# Allegro board 1119394-C028P02-36-DE2-C01_pcb.brd (continued)
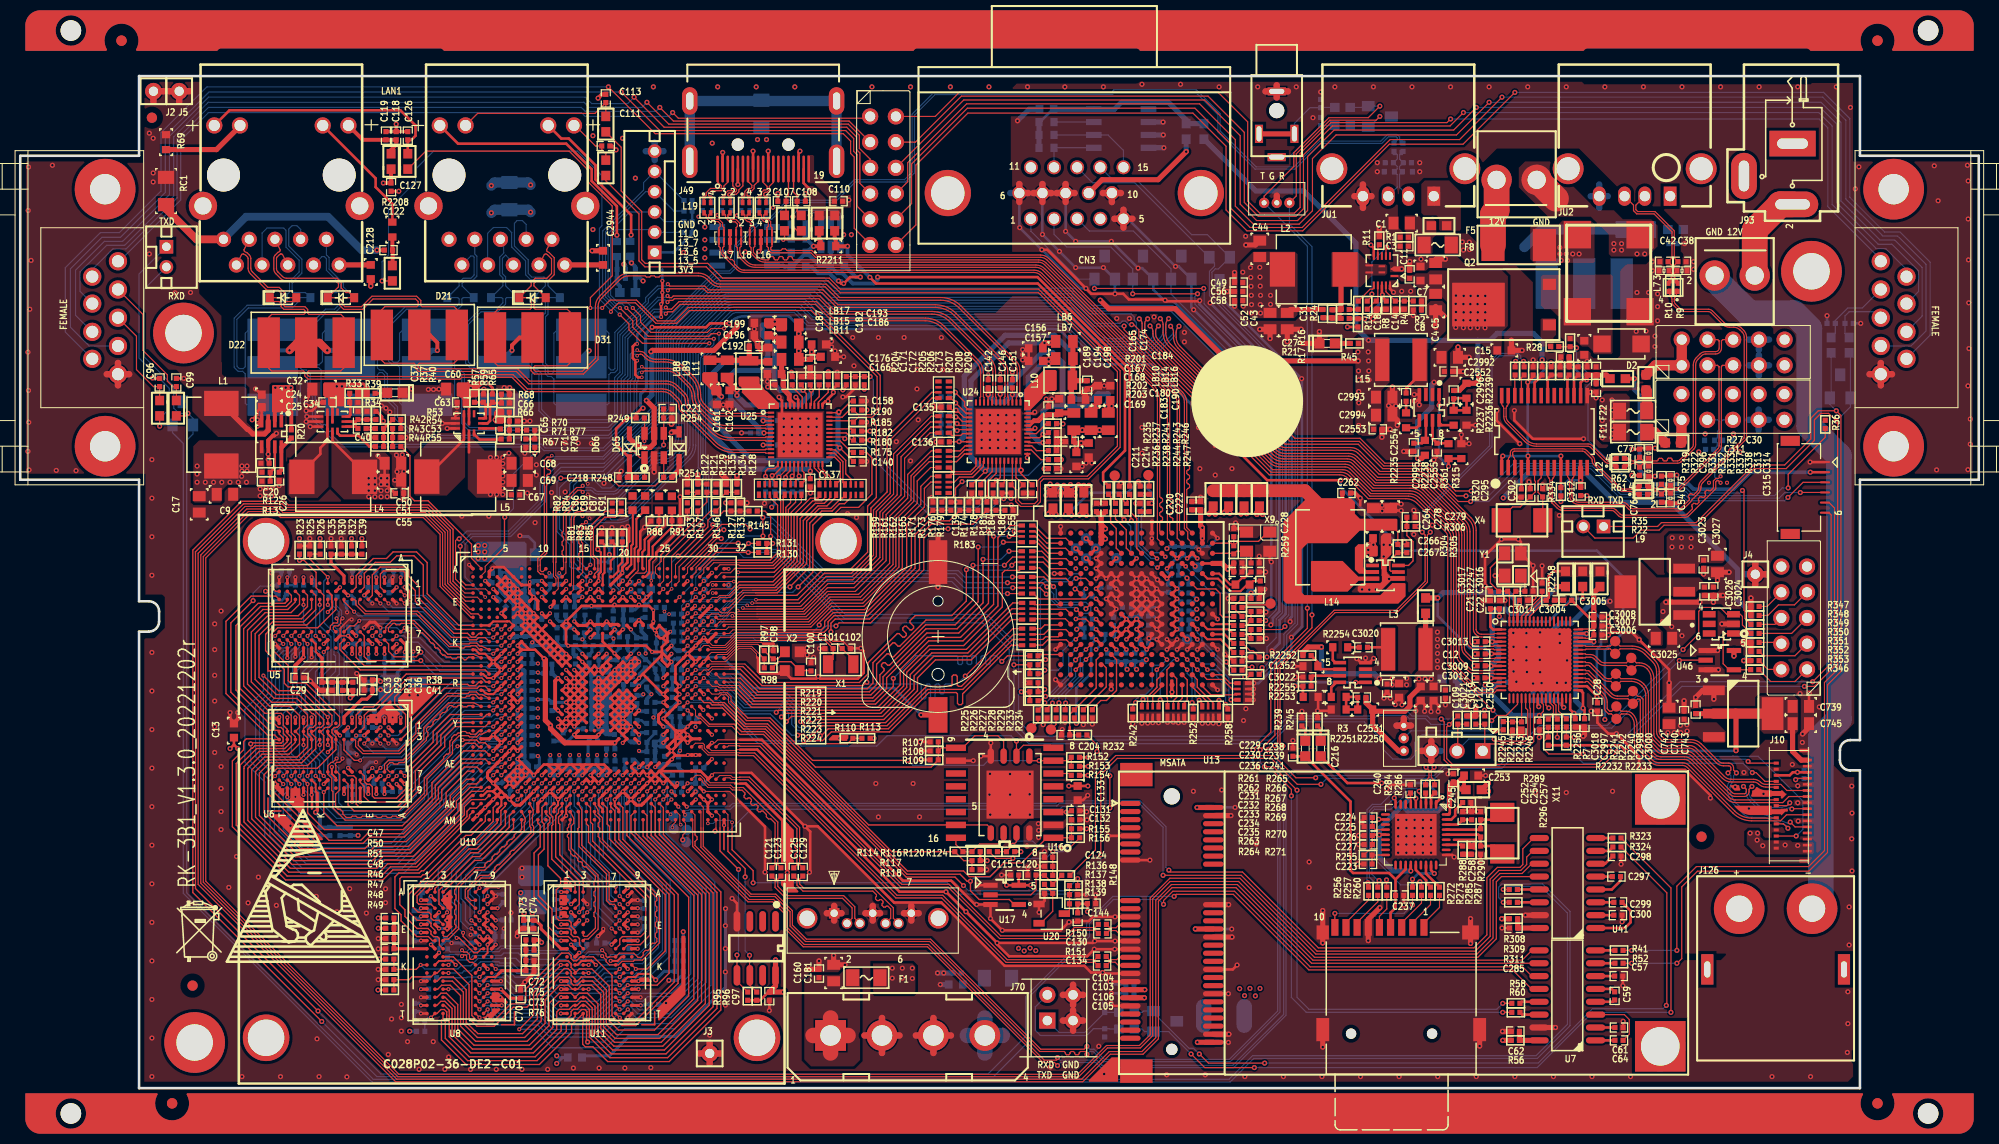
[diagram p0: board, top side]
## Routing (per net, layer and track width the routed paths; a pad name or vN(x,y) marks a point on that pad's centre or on a via; arc(x,y) is an arc through that point) (continued)
SN_BOOT_PIN0: length 11.5
  TOP w0.095: U10.B24 62.74,50.9 62.74,51.49 63.3,52.04
  TOP w0.114: R135.2 R129.2 67.82,57.91 R147.1
  TOP w0.127: R147.1 66.93,56.34 63.3,52.7 63.3,52.04
SN_BOOT_PIN1: length 13.3
  TOP w0.114: R145.1 R133.2 R127.2 69.49,57.02 68.99,56.52 68.33,56.52 67.92,56.11 67.92,55.45 65.05,52.58 v2(64.97,52.58)
  TOP w0.127: v3(64.34,49.34) U10.D25
  BOTTOM w0.095: v3(64.34,49.34) 64.34,51.94 v2(64.97,52.58)
SN_BOOT_PIN2: length 13.3
  TOP w0.095: 63.78,52.58 63.55,52.35 63.55,50.14 63.13,49.72 U10.C24
  TOP w0.114: R128.2 R134.2 69.19,58.32 69.19,57.51 R146.1 68.17,57.02 63.78,52.63 63.78,52.58
SYS_RSTN: length 61.4
  TOP w0.114: U16.3 v2(103.33,27.28) 103.71,27.28 C131.1 ; R120.2 96.37,22.71 v2(98.04,22.71) ; R137.2 R136.1 C124.1 v2(101.98,23.37)
  TOP w0.127: U10.W29 68.07,35.97 70.51,35.97 71.25,35.23 73.5,35.23 87.59,21.14 92.83,21.14 93.52,20.45 v2(93.85,20.45) 93.85,19.51 94.72,18.64 97.69,18.64 98.18,18.15 U17.4
  BOTTOM w0.114: v2(93.85,20.45) 94.23,20.83 95.66,20.83 97.54,22.71 v2(98.04,22.71) 101.32,22.71 v2(101.98,23.37) 103,23.37 103.81,24.18 103.81,26.8 v2(103.33,27.28)
TE: length 2.1
  TOP w0.114: J10.25 175.5,30.61 v2(175.36,30.48)
  BOTTOM w0.114: v2(175.36,30.48) 175.46,30.58 R2234.1
UART0_RXD: length 225
  TOP w0.095: 43.15,49.3 43.94,48.51 45.14,48.51 45.52,48.13 U10.E2
  TOP w0.114: U7.12 149.28,9.8 147.4,11.68 127.28,11.68 119.81,19.15 114.17,19.15 v2(113.97,18.95)
  TOP w0.127: 43.15,49.3 42.47,49.99 42.47,55.14 40.23,57.38 26.24,57.38 25.88,57.73 22.05,57.73 17.31,52.99 17.31,19.73 v2(29.41,7.62)
  BOTTOM w0.114: v2(29.41,7.62) 35.64,1.4 95.58,1.4 99.31,5.13 99.31,9.04 105.33,15.06 105.33,16.36 107.92,18.95 v2(113.97,18.95)
UART0_TXD: length 225.8
  TOP w0.095: 43.15,49.68 43.92,48.92 U10.D1
  TOP w0.114: v2(112.93,18.16) 112.93,18.54 113.84,19.46 119.94,19.46 127.41,11.99 148.39,11.99 149.3,11.07 U7.11
  TOP w0.127: v2(29.78,6.59) 17.04,19.33 17.04,53.16 21.87,57.99 26.11,57.99 26.47,57.63 40.33,57.63 42.75,55.22 42.75,50.09 43.15,49.68
  BOTTOM w0.114: v2(29.78,6.59) 35.23,1.14 96.14,1.14 99.8,4.8 99.8,9.17 105.61,14.99 105.61,16.28 107.98,18.64 112.45,18.64 v2(112.93,18.16)
UART1_RXD: length 227.9
  TOP w0.114: U10.F1 44.42,47.32 41.96,49.78 41.96,54.92 40.02,56.87 25.96,56.87 25.6,57.23 22.38,57.23 17.83,52.68 17.83,20.24 37.19,0.89 104.84,0.89 107.56,3.61 110.79,3.61 112.16,4.99 112.16,18.57 113.7,20.12 120.21,20.12 127.68,12.65 148.34,12.65 149.3,13.61 U7.9
UART1_TXD: length 228.2
  TOP w0.114: U7.10 127.55,12.34 120.09,19.81 113.77,19.81 112.42,18.47 112.42,4.88 110.9,3.35 107.67,3.35 104.95,0.63 37.07,0.63 17.57,20.14 17.57,52.85 22.2,57.48 25.73,57.48 26.09,57.12 40.12,57.12 42.21,55.03 42.21,49.88 43.15,48.95 43.15,48.95 43.98,48.12 U10.E1
UART2_RXD: length 234.4
  TOP w0.114: U41.12 146.3,20.9 145.8,20.4 145.8,14.76 143.97,12.93 127.83,12.93 120.34,20.42 113.57,20.42 111.85,18.7 111.85,5.18 110.64,3.98 107.39,3.98 104.54,1.13 37.3,1.13 18.08,20.35 18.08,52.52 22.53,56.97 25.48,56.97 25.83,56.62 39.91,56.62 41.71,54.82 41.71,49.67 43.15,48.23 43.15,48.23 44.53,46.86 45.21,46.86 45.52,46.56 U10.G2
UART2_TXD: length 233.1
  TOP w0.114: U10.G1 44.53,46.52 41.47,49.57 41.47,54.72 39.81,56.38 25.7,56.38 25.37,56.72 22.66,56.72 18.32,52.38 18.32,20.45 37.4,1.37 104.44,1.37 107.29,4.22 110.54,4.22 111.61,5.28 111.61,18.8 113.55,20.74 120.47,20.74 127.97,13.25 143.88,13.25 145.47,14.84 145.47,20.53 146.15,21.21 148.34,21.21 149.3,22.17 U41.11
UART3_RXD: length 102
  TOP w0.114: v2(113.45,21.54) 113.63,21.36 120.73,21.36 128.22,13.86 143.58,13.86 144.86,15.14 144.86,20.78 145.9,21.82 148.13,21.82 148.41,22.1 148.41,23.65 149.48,24.71 U41.9
  TOP w0.254: v1(65.83,27.81) U10.AK27
  BOTTOM w0.114: v2(113.45,21.54) 113.16,21.83 113.16,25.84 110.61,28.39 102.54,28.39 102.29,28.14 70.36,28.14 70.09,27.86 65.89,27.86 v1(65.83,27.81)
UART3_TXD: length 102.6
  TOP w0.114: U41.10 149.4,23.44 148.79,22.83 148.79,22.1 148.21,21.51 146.05,21.51 145.19,20.65 145.19,15.01 143.71,13.54 128.08,13.54 120.59,21.03 v2(112.88,21.03)
  TOP w0.254: v1(65,27.81) 65,27.84 U10.AK26
  BOTTOM w0.102: 65.39,27.39 65.61,27.39 65.67,27.45 66.03,27.45 66.14,27.56
  BOTTOM w0.114: 65.39,27.39 65,27.79 v1(65,27.81) ; 66.14,27.56 70.15,27.56 70.49,27.9 102.39,27.9 102.64,28.15 110.51,28.15 112.88,25.78 v2(112.88,21.03)
UPDATE_FROM_USB: length 33.6
  TOP w0.095: 73.38,45.03 70.61,45.03 70.13,44.55 69.15,44.55 U10.K31
  TOP w0.114: R173.2 R171.1 R165.2
  TOP w0.127: R165.2 91.77,56.06 89.76,56.06 88.38,54.67 88.38,51.37 83.69,46.69 80.39,46.69 79.79,46.09 79.79,45.45 79.37,45.03 73.38,45.03
USB2_DM0: length 113.9
  TOP w0.095: U10.AL28 66.64,27 66.64,25.37 66.65,25.37
  TOP w0.115: v2(102.45,3.02) 102.45,2.88 102.34,2.77 101.14,2.77 89.71,14.2 77.44,14.2 75.74,15.89 75.74,17.32 74.42,18.64 71.97,18.64 66.65,23.97 66.65,24.37 66.85,24.57 66.85,24.83 66.65,25.03 66.65,25.37 ; v2(138.86,31.7) 139.14,31.42 139.14,30.71 138.81,30.38 138.81,29.97
  BOTTOM w0.115: v2(102.45,3.02) 102.71,2.77 106.32,2.77 106.83,2.26 119.77,2.26 124.79,7.28 124.79,30.51 125.71,31.42 138.75,31.42 138.86,31.54 v2(138.86,31.7)
USB2_DM1: length 154.4
  TOP w0.095: 67.46,25.7 67.46,27.76 67.12,28.11 U10.AK29
  TOP w0.114: R322.1 148.54,71.27 148.54,71.76 v2(148.49,71.81)
  TOP w0.115: v2(123.92,33.81) 124.21,34.09 124.21,41.65 129.78,47.22 135.89,47.22 138.76,50.09 138.76,54.66 v2(138.48,54.94) ; v2(105.36,4.13) 105.08,3.85 100.79,3.85 89.92,14.72 77.65,14.72 76.27,16.11 76.27,17.53 74.63,19.17 72.19,19.17 67.46,23.89 67.46,25.7
  BOTTOM w0.115: v2(138.48,54.94) 138.73,55.2 138.73,57.07 145.14,63.47 145.14,71.73 146,72.59 147.96,72.59 148.21,72.35 148.21,72.09 v2(148.49,71.81) ; v2(105.36,4.13) 105.64,3.85 106.07,3.85 107.08,2.84 119.42,2.84 124.21,7.63 124.21,33.53 v2(123.92,33.81)
USB2_DP0: length 113.9
  TOP w0.095: 66.42,25.41 66.42,26.43 66.33,26.52 U10.AM28
  TOP w0.115: 66.42,25.41 66.42,25.37 66.42,25.37 66.42,23.88 71.88,18.41 74.32,18.41 75.51,17.22 75.51,15.8 77.34,13.97 89.61,13.97 101.04,2.54 102.15,2.54 v2(102.45,2.23) ; 139.7,29.97 139.7,30.38 139.37,30.71 139.37,31.42 v2(139.65,31.7)
  BOTTOM w0.115: v2(102.45,2.23) 102.76,2.54 106.23,2.54 106.74,2.03 119.86,2.03 125.02,7.19 125.02,30.41 125.8,31.2 139.15,31.2 v2(139.65,31.7)
USB2_DP1: length 154.4
  TOP w0.095: 67.23,25.7 67.23,27.21 U10.AL29
  TOP w0.114: v2(147.7,71.81) 147.65,71.76 R319.1
  TOP w0.115: v2(139.27,54.94) 138.99,54.66 138.99,49.99 135.98,46.99 129.87,46.99 124.43,41.55 124.43,34.09 v2(124.72,33.81) ; v2(105.36,3.34) 105.36,3.51 105.24,3.62 104.72,3.62 104.6,3.51 104.6,3.42 104.49,3.3 104.26,3.3 104.14,3.42 104.14,3.51 104.03,3.62 103.8,3.62 103.69,3.51 103.69,3.42 103.57,3.3 103.34,3.3 103.23,3.42 103.23,3.51 103.12,3.62 100.7,3.62 89.83,14.49 77.56,14.49 76.04,16.02 76.04,17.44 74.54,18.94 72.1,18.94 67.23,23.8 67.23,25.7
  BOTTOM w0.115: v2(147.7,71.81) 147.98,72.09 147.98,72.25 147.87,72.36 146.09,72.36 145.36,71.63 145.36,63.37 138.96,56.97 138.96,55.25 v2(139.27,54.94) ; v2(105.36,3.34) 105.64,3.62 105.98,3.62 106.39,3.21 106.98,2.62 119.51,2.62 124.43,7.54 124.43,33.53 v2(124.72,33.81)
USB2_OVRCUR0: length 121.2
  TOP w0.095: U10.AM30 v3(67.92,26.16) ; 70.31,25.7 v3(70.31,26.26)
  TOP w0.114: v2(128.47,30.02) 126.14,30.02 123.57,32.59 108.36,32.59 106.73,30.96 v2(106.73,23.06) ; v2(163.87,42.25) 163.91,42.29 U46.2
  TOP w0.124: v2(72.39,20.29) 72.39,21.48 70.31,23.56 70.31,25.7
  BOTTOM w0.095: v3(70.31,26.26) 70.1,26.47 68.76,26.47 68.45,26.16 v3(67.92,26.16)
  BOTTOM w0.114: v2(128.47,30.02) 129.06,30.61 139.72,30.61 140.71,31.6 146.33,31.6 150.3,35.57 157.19,35.57 v2(163.87,42.25) ; v2(106.73,23.06) 106.73,22.17 103.73,19.18 92.68,19.18 91.57,20.29 v2(72.39,20.29)
USB2_OVRCUR1: length 19.2
  TOP w0.095: U10.AL31 69.11,26.93 69.11,25.7
  TOP w0.114: v2(70.79,13.16) U12.5 70.79,10.57 R95.2
  TOP w0.124: 69.11,25.7 69.11,23.44 v2(70.94,21.62)
  BOTTOM w0.114: v2(70.79,13.16) 70.94,13.31 v2(70.94,21.62)
USB2_PWREN0: length 49.3
  TOP w0.095: 68.72,25.7 U10.AM31
  TOP w0.114: v2(106.35,33.27) 106.35,33.91 R232.1 ; v2(107.62,27.69) v2(107.62,30.86)
  TOP w0.124: v2(68.63,25.4) 68.72,25.49 68.72,25.7
  BOTTOM w0.114: v2(107.62,30.86) 107.62,32 v2(106.35,33.27) ; v2(107.62,27.69) 107.49,27.81 102.92,27.81 102.67,27.56 72.19,27.56 70.03,25.4 v2(68.63,25.4)
USB2_PWREN1: length 19.2
  TOP w0.095: U10.AL32 69.61,27.32 69.9,27.03 69.9,25.7
  TOP w0.114: R96.2 72.06,10.19 U12.6 72.03,11.18 v2(72.03,13.13)
  TOP w0.124: v2(71.6,20.88) 71.6,21.69 69.9,23.39 69.9,25.7
  BOTTOM w0.114: v2(71.6,20.88) 71.6,13.56 v2(72.03,13.13)
USB2_REXT: length 2.9
  TOP w0.127: v1(65.91,30.12) 65.91,30.11 U10.AH27
  BOTTOM w0.254: v1(65.91,30.12) R381.1 R380.1
USB3_DM: length 127.2
  TOP w0.115: v3(52.5,62.5) 52.36,62.36 52.04,62.36 51.77,62.08 51.77,52.94 51.12,52.3 51.12,51.59 51.12,51.06 51.38,50.8 51.64,50.8 U10.B10
  BOTTOM w0.115: R5.1 136.25,93.7 136.25,93.98 135.99,94.23 135.05,94.23 134.39,93.57 128.35,93.57 125.81,91.03 122.07,91.03 118.52,94.58 118.52,96.29 116.15,98.65 108.03,98.65 107.78,98.4 90.25,98.4 88.09,96.23 88.09,90.52 87.33,89.76 82.38,89.76 80.35,87.73 75.78,87.73 74.12,86.08 73.36,86.08 70.56,83.28 70.56,81.25 70.06,80.75 68.66,80.75 62.82,74.9 62.82,67.67 57.54,62.38 52.62,62.38 v3(52.5,62.5)
USB3_DP: length 127
  TOP w0.115: U10.A10 51.64,51.04 51.48,51.04 51.36,51.16 51.36,51.69 51.36,52.21 51.99,52.85 51.99,59.64 52.11,59.75 52.26,59.75 52.37,59.87 52.37,60.1 52.26,60.21 52.11,60.21 51.99,60.32 51.99,60.55 52.11,60.67 52.26,60.67 52.37,60.78 52.37,61.01 52.26,61.12 52.11,61.12 51.99,61.24 51.99,61.99 52.13,62.13 52.31,62.13 v3(52.5,61.94)
  BOTTOM w0.115: v3(52.5,61.94) 52.72,62.15 57.63,62.15 63.05,67.57 63.05,74.81 68.76,80.52 70.16,80.52 70.79,81.15 70.79,83.19 73.46,85.85 74.22,85.85 75.87,87.5 80.44,87.5 82.47,89.54 87.43,89.54 87.49,89.6 88.32,90.42 88.32,96.14 90.35,98.17 107.87,98.17 108.13,98.43 116.06,98.43 118.29,96.2 118.29,94.49 121.97,90.81 125.91,90.81 128.45,93.35 134.49,93.35 135.15,94.01 135.9,94.01 136.02,93.89 136.02,93.7 R6.1
USB3_REXT: length 3.1
  TOP w0.305: U10.E10 v1(51.52,48.52)
  BOTTOM w0.254: 52.35,49.58 R402.1 R401.1
  BOTTOM w0.305: v1(51.52,48.52) 52.35,49.35 52.35,49.58
USB_EX1_DM: length 14.8
  TOP w0.115: L12.4 157.36,62.17 arc(157.23,62.15) 157.12,62.08 157.08,62.04 arc(157.01,61.98) 156.92,61.96 156.84,61.96 arc(156.79,61.97) 156.74,62.01 155.26,63.49 arc(155.07,63.61) 154.86,63.65 149.77,63.65 arc(149.22,63.76) 148.76,64.07 146.98,65.85 arc(146.82,66.09) 146.76,66.37 146.76,67.17 arc(146.79,67.29) 146.86,67.4 146.87,67.42 arc(146.95,67.52) 146.97,67.65 U43.27
USB_EX1_DP: length 15.2
  TOP w0.115: L12.1 157.36,61.52 arc(157.23,61.55) 157.12,61.62 157.04,61.7 arc(157.01,61.73) 156.96,61.73 156.84,61.73 arc(156.7,61.76) 156.58,61.84 155.1,63.32 arc(154.99,63.4) 154.86,63.42 149.77,63.42 arc(149.13,63.55) 148.59,63.91 146.81,65.69 arc(146.6,66) 146.53,66.37 146.53,67.17 arc(146.53,67.17) 146.53,67.18 arc(146.5,67.3) 146.43,67.4 146.42,67.42 arc(146.35,67.53) 146.32,67.65 U43.28
USB_EX2_DM: length 16.2
  TOP w0.115: U43.2 146.97,62.09 arc(147,62.22) 147.07,62.33 147.08,62.34 arc(147.16,62.45) 147.18,62.58 147.18,62.78 arc(147.3,63.05) 147.57,63.17 154.32,63.17 arc(154.54,63.13) 154.73,63 155.37,62.36 arc(155.47,62.22) 155.5,62.05 155.5,61.94 arc(155.52,61.86) 155.56,61.79 158.05,59.3 arc(158.08,59.27) 158.1,59.26 arc(158.19,59.21) 158.3,59.19 159.09,59.19 arc(159.2,59.22) 159.29,59.28 159.31,59.3 arc(159.4,59.36) 159.51,59.38 L9.4
USB_EX2_DP: length 15.9
  TOP w0.115: L9.1 159.55,58.73 arc(159.41,58.76) 159.28,58.84 159.27,58.86 arc(159.15,58.94) 159,58.97 158.3,58.97 arc(158.13,58.99) 157.97,59.07 157.96,59.07 157.11,59.91 155.4,61.62 arc(155.3,61.77) 155.27,61.94 155.27,62.05 arc(155.25,62.13) 155.21,62.2 154.56,62.84 arc(154.45,62.91) 154.32,62.94 147.57,62.94 arc(147.46,62.89) 147.41,62.78 147.41,62.58 arc(147.41,62.57) 147.41,62.57 arc(147.44,62.45) 147.51,62.34 147.52,62.33 arc(147.6,62.22) 147.62,62.09 U43.3
USB_EX3_DM: length 24.4
  TOP w0.115: U43.8 150.87,60.54 arc(150.9,60.41) 150.97,60.31 150.98,60.29 arc(151.06,60.18) 151.08,60.05 151.08,58.37 arc(151.14,58.06) 151.32,57.8 151.78,57.34 arc(151.94,57.21) 152.12,57.13 152.12,57.13 arc(152.27,57.09) 152.42,57.07 157.21,57.07 arc(157.34,57.05) 157.45,56.97 157.87,56.56 arc(158.06,56.43) 158.28,56.39 164.39,56.39 164.39,56.39 arc(164.61,56.43) 164.8,56.56 167.47,59.22 167.47,59.91 167.58,60.02 167.74,60.02 v1(167.94,59.82)
  BOTTOM w0.115: R18.1 167.37,61.13 L8.1 167.37,60.4 v1(167.94,59.82)
USB_EX3_DP: length 24.3
  TOP w0.115: v1(167.94,60.45) 167.74,60.25 167.49,60.25 167.24,60 167.24,59.32 166.94,59.03 166.78,59.03 166.73,59.08 166.57,59.08 166.41,58.91 166.41,58.75 166.46,58.7 166.46,58.54 166.3,58.38 166.13,58.38 166.08,58.43 165.92,58.43 165.76,58.27 165.76,58.1 165.81,58.05 165.81,57.89 165.65,57.73 165.49,57.73 165.44,57.78 165.27,57.78 165.11,57.62 165.11,57.46 165.16,57.41 165.16,57.24 164.64,56.72 arc(164.52,56.64) 164.39,56.62 164.3,56.62 158.28,56.62 arc(158.14,56.64) 158.03,56.72 157.62,57.13 arc(157.43,57.26) 157.21,57.3 152.42,57.3 arc(152.31,57.31) 152.19,57.34 arc(152.06,57.41) 151.94,57.5 151.48,57.96 arc(151.36,58.15) 151.31,58.37 151.31,60.05 arc(151.31,60.06) 151.31,60.06 arc(151.34,60.19) 151.41,60.29 151.42,60.31 arc(151.5,60.41) 151.52,60.54 U43.9
  BOTTOM w0.115: R15.1 168.12,61.19 L8.4 167.94,61.01 v1(167.94,60.45)
USB_EX4_DM: length 44.1
  TOP w0.115: L7.1 163.58,78.46 arc(163.56,78.33) 163.49,78.22 163.47,78.2 arc(163.4,78.1) 163.37,77.98 arc(163.37,77.97) 163.37,77.97 163.37,77.74 163.37,77.74 arc(163.4,77.61) 163.47,77.5 163.91,77.06 arc(164.02,76.99) 164.15,76.96 166.74,76.96 arc(166.95,76.92) 167.14,76.79 168.3,75.63 arc(168.55,75.47) 168.83,75.41 169.24,75.41 arc(169.66,75.33) 170.01,75.09 170.24,74.86 arc(170.44,74.56) 170.51,74.21 170.51,64.3 arc(170.48,64.17) 170.41,64.06 166.2,59.85 arc(166.06,59.65) 166.01,59.4 166.01,59.39 arc(165.94,59.05) 165.75,58.76 165.48,58.49 arc(165.47,58.49) 165.47,58.48 165.09,58.11 arc(165.05,58.02) 164.99,57.94 164.29,57.24 arc(164.05,57.08) 163.77,57.02 159.29,57.02 arc(159.07,57.07) 158.89,57.19 158.51,57.57 arc(158.4,57.64) 158.27,57.67 153.96,57.67 arc(153.3,57.94) 153.03,58.6 153.03,60.05 arc(153.03,60.06) 153.03,60.06 arc(153,60.19) 152.93,60.29 152.92,60.31 arc(152.85,60.41) 152.82,60.54 U43.11
USB_EX4_DP: length 44
  TOP w0.115: U43.12 153.47,60.54 arc(153.45,60.41) 153.37,60.31 153.36,60.29 arc(153.29,60.18) 153.26,60.05 153.26,58.6 arc(153.47,58.1) 153.96,57.9 158.27,57.9 arc(158.49,57.85) 158.67,57.73 159.05,57.35 arc(159.16,57.28) 159.29,57.25 163.77,57.25 arc(163.97,57.29) 164.13,57.4 164.83,58.1 arc(164.86,58.13) 164.87,58.17 arc(164.87,58.26) 164.83,58.33 164.77,58.39 arc(164.74,58.47) 164.77,58.55 164.94,58.71 arc(165.02,58.75) 165.1,58.71 165.16,58.66 arc(165.24,58.62) 165.32,58.66 165.58,58.92 arc(165.73,59.14) 165.78,59.39 165.78,59.41 arc(165.85,59.74) 166.04,60.02 168.73,62.71 168.73,63.02 168.9,63.18 169.21,63.18 170.25,64.22 arc(170.27,64.26) 170.28,64.3 170.28,74.21 arc(170.23,74.48) 170.08,74.7 169.85,74.93 arc(169.57,75.12) 169.24,75.18 168.83,75.18 arc(168.46,75.26) 168.14,75.47 166.98,76.63 arc(166.87,76.71) 166.74,76.73 164.15,76.73 arc(163.93,76.78) 163.75,76.9 163.31,77.33 arc(163.19,77.52) 163.14,77.74 163.14,77.97 arc(163.12,78.1) 163.05,78.2 163.03,78.22 arc(162.96,78.33) 162.93,78.46 L7.4
VAVDD_1.8VA: length 12.4
  TOP w0.254: U32.F12 v4(114.26,49.35) U32.G12 v4(114.26,48.35) U32.H12 v4(114.26,47.35) U32.J12 v4(114.26,46.35) U32.K12 v4(114.26,45.35) U32.L12
  TOP w0.508: 120.88,57.05 v2(120.57,56.74) ; 120.88,57.05 120.88,57.02 v2(121.13,56.77) ; 120.88,57.05 LB24.2
  GND02 w0.114: v2(121.13,56.77) 120.6,56.77 v2(120.57,56.74)
  BOTTOM w0.114: v2(120.57,56.74) 120.6,56.77 v2(121.13,56.77)
  BOTTOM w0.254: C325.1 114.28,45.36 v4(114.26,45.35) ; C323.1 114.46,47.14 v4(114.26,47.35) ; v4(114.26,46.35) 114.35,46.25 C324.1 ; v4(114.26,48.35) 114.58,48.03 C322.1 ; C321.1 114.63,48.98 v4(114.26,49.35) 114.63,49.71 C320.1
VCVDD_1.8VA: length 14
  TOP w0.254: U32.C13 v4(114.26,52.35) U32.C12 ; v4(113.26,50.35) U32.E12 ; v4(113.26,51.35) U32.D12 ; v4(116.26,52.35) U32.C14 v4(115.26,52.35)
  TOP w0.381: U32.E11 v4(113.26,50.35)
  TOP w0.508: 119.35,57.3 v2(118.9,56.85) ; 119.35,57.3 119.35,56.95 v2(119.48,56.82) ; 119.35,57.3 LB23.2
  GND02 w0.114: v2(118.9,56.85) 118.92,56.82 v2(119.48,56.82)
  BOTTOM w0.114: v2(119.48,56.82) 118.92,56.82 v2(118.9,56.85)
  BOTTOM w0.254: v4(116.26,52.35) 116.13,52.35 C319.1 115.41,52.35 v4(115.26,52.35) 115.24,52.35 C326.1 114.52,52.35 v4(114.26,52.35) ; v4(114.26,52.35) 114,52.61 C329.1 ; v4(114.26,52.35) 114.19,52.35 113.61,51.77 C327.1 113.5,51.59 v4(113.26,51.35) 113.26,51.05 C328.1 v4(113.26,50.35) 113.44,50.17 C330.1
VDAC_REXT: length 3.6
  TOP w0.127: U10.E17 v1(57.12,48.52)
  BOTTOM w0.127: R397.2 57.18,50.58 57.55,50.21 57.55,48.95 v1(57.12,48.52)
VDVDD_1.8VA: length 22.8
  TOP w0.254: v4(108.26,44.35) U32.L7 ; U32.L7 v4(108.26,45.35) ; U32.L7 v4(109.26,45.35) ; v4(109.26,46.35) U32.K7 v4(108.26,45.35) ; v4(109.26,46.35) U32.K8 ; v4(109.26,46.35) U32.J7 ; U32.K8 v4(109.26,45.35) ; U32.K8 109.76,45.85 v2(110.26,46.35) 110.76,45.85 U32.K9 v4(110.26,45.35) U32.L9 v4(110.26,44.35) ; v4(109.26,44.35) U32.L8 v4(109.26,45.35) ; v4(108.26,45.35) U32.L6 ; v4(108.26,45.35) U32.K6
  TOP w0.508: 117.83,57.15 v2(117.42,56.74) ; 117.83,57.15 117.83,56.92 v2(118.03,56.72) ; 117.83,57.15 LB22.2
  BOTTOM w0.114: C335.1 110.64,43.97 v4(110.26,44.35)
  BOTTOM w0.254: 110.64,44.73 C335.1 ; 110.64,44.73 C334.1 110.64,44.96 v4(110.26,45.35) ; 110.64,44.73 v4(110.26,44.35) ; C342.1 107.98,45.63 v4(108.26,45.35) 108.26,45.12 C343.1 107.98,44.63 v4(108.26,44.35) ; 110.64,46.96 C331.1 ; 110.64,46.96 110.26,46.58 v2(110.26,46.35) ; 110.64,46.96 C332.1 110.54,46.63 ; C340.1 108.9,46.71 v4(109.26,46.35) 109.63,46.71 C338.1 109.83,46.63 110.54,46.63 ; 110.54,46.63 v2(110.26,46.35) ; v2(110.26,46.35) 110.64,45.97 C333.1
VDVDDIO_3.3VA: length 31.2
  TOP w0.124: R247.1 v2(111.76,57.78) ; v2(110.44,59.92) 110.62,59.74 R243.1
  TOP w0.254: U32.F5 v4(106.26,49.35) U32.G5 ; v4(106.26,45.35) U32.L5 ; R229.1 104.11,36.25 v2(104.32,36.04) ; v4(106.26,44.35) U32.M5 ; v4(106.26,47.35) U32.J5 ; v4(106.26,46.35) U32.K5 ; v4(106.26,48.35) U32.H5
  TOP w0.508: 103.53,56.97 LB19.2 ; 103.53,56.97 103.53,56.95 v2(103.84,56.64) ; 103.53,56.97 v2(103.25,56.69)
  GND02 w0.114: v2(103.25,56.69) 103.3,56.64 v2(103.84,56.64)
  BOTTOM w0.114: v2(103.25,56.69) 103.3,56.64 v2(103.84,56.64)
  BOTTOM w0.254: v2(111.76,57.78) 111.76,58.83 111.1,59.49 110.87,59.49 v2(110.44,59.92) 109.37,58.85 105.61,58.85 103.84,57.07 v2(103.84,56.64) ; C348.1 106.12,44.35 v4(106.26,44.35) 105.77,43.85 105.77,40.98 104.32,39.53 v2(104.32,36.04) ; C345.1 106.6,49.35 v4(106.26,49.35) ; C349.1 106.14,48.35 v4(106.26,48.35) ; v4(106.26,45.35) 106.01,45.35 C347.1 ; v4(106.26,46.35) 105.9,46.35 C346.1
VGA1_IN_B: length 51.5
  TOP w0.114: v2(123.01,46.2) R267.1
  BOTTOM w0.114: v2(123.01,46.2) 124.05,47.24 124.05,68.07 113.67,78.46 D24.2 113.67,80.98 109.96,84.68 105.61,84.68 CN3.3
VGA1_IN_G: length 62.8
  TOP w0.114: v2(116.28,78.49) v2(109.88,78.49) ; v2(123.14,42.6) R270.1
  TOP w0.127: C234.1 120.75,43.94 121.46,43.23 121.74,43.23 R270.1
  BOTTOM w0.114: v2(123.14,42.6) 123.14,43.59 124.05,44.5 124.05,46.36 124.68,46.99 124.68,68.8 116.03,77.44 116.03,78.23 v2(116.28,78.49) ; v2(109.88,78.49) D25.2 109.88,80.95 107.72,83.11 103.35,83.11 102.11,84.35 CN3.2
VGA1_IN_HS: length 63.4
  TOP w0.114: R271.2 122.66,41.17 v2(122.66,41.55)
  BOTTOM w0.114: v2(122.66,41.55) 122.71,41.61 122.83,41.61 124.82,43.59 124.82,44.86 125.92,45.96 125.92,69.84 117.46,78.3 117.46,80.72 117.96,81.21 117.96,81.58 D23.1 110.08,89.46 105.92,89.46 CN3.13
VGA1_IN_R: length 60.9
  TOP w0.114: v2(116.89,79.02) v2(106.1,79.02) ; R268.1 124.61,45.31 v2(124.92,45.62)
  BOTTOM w0.114: CN3.1 99.82,84.66 104.55,79.93 D26.2 v2(106.1,79.02) ; v2(124.92,45.62) 124.92,46.35 125.3,46.73 125.3,69.14 116.94,77.5 116.94,78.97 v2(116.89,79.02)
VGA1_IN_VS: length 65.8
  TOP w0.114: v2(121.67,41.61) 120.98,41.61 R264.2
  BOTTOM w0.114: CN3.14 107.82,89.84 110.19,89.84 115.7,84.33 117.25,84.33 D23.2 118.34,80.95 118.03,80.95 117.7,80.62 117.7,78.4 126.16,69.94 126.16,45.85 125.09,44.78 125.09,43.31 122.86,41.07 122.2,41.07 v2(121.67,41.61)
VGA1_SYNC1: length 2.5
  TOP w0.203: U32.L16 118.96,44.85 C234.2
VGA_5V: length 12.6
  TOP w0.508: v2(115.16,92.53) 112.39,89.76 106.86,89.76 CN3.9
  BOTTOM w0.508: LB52.1 v2(115.16,92.53)
VGA_B: length 4
  TOP w0.203: U10.B18 58.52,50.52 59.08,51.08 59.08,51.59 59.46,51.97 R85.1
VGA_G: length 2.9
  TOP w0.203: R83.1 58.67,53.75 58.67,52.45 58.32,52.1 U10.A18
VGA_R: length 4.4
  TOP w0.203: U10.C17 57.53,49.73 57.53,50.75 57.71,50.93 57.71,53.7 R81.1
VI_CLK: length 41.4
  TOP w0.095: 71.09,39.19 70.71,39.57 69.03,39.57 68.9,39.7 68.35,39.7 67.93,40.12 U10.R30
  TOP w0.124: v2(96.95,42.16) 97.51,42.72 R219.2 ; 72.34,37.95 71.09,39.19
  TOP w0.127: 72.34,37.95 84.48,37.95 86.23,39.7 v2(86.23,40.49)
  BOTTOM w0.127: v2(96.95,42.16) 96.39,42.72 95.92,42.72 95.81,42.61 95.81,41.97 95.69,41.86 95.47,41.86 95.35,41.97 95.35,42.61 95.24,42.72 95.01,42.72 94.89,42.61 94.89,41.97 94.78,41.86 94.55,41.86 94.44,41.97 94.44,42.61 94.32,42.72 94.09,42.72 93.98,42.61 93.98,41.97 93.87,41.86 93.64,41.86 93.52,41.97 93.52,42.61 93.41,42.72 93.18,42.72 93.07,42.61 93.07,41.97 92.95,41.86 92.72,41.86 92.61,41.97 92.61,42.61 92.49,42.72 88.47,42.72 v2(86.23,40.49)
VI_D0: length 43.2
  TOP w0.095: 71.09,38.76 70.53,39.32 U10.T31
  TOP w0.124: 71.09,38.76 72.21,37.64
  TOP w0.127: 72.21,37.64 84.71,37.64 86.92,39.85 86.92,41.38 89.74,44.2 93.12,44.2 96.57,47.65 96.57,54.38 97.78,55.59 RN19.5
VI_D1: length 41.6
  TOP w0.095: U10.R32 71.03,40.12 71.09,40.06
  TOP w0.114: RN19.6 98.92,55.02 v2(98.17,55.02)
  TOP w0.124: 72.59,38.56 71.09,40.06
  TOP w0.127: 72.59,38.56 84.2,38.56 85.22,39.57 85.22,40.64 89.55,44.97 92.7,44.97 95.63,47.9 v2(95.63,54.99)
  BOTTOM w0.114: v2(95.63,54.99) 95.66,55.02 v2(98.17,55.02)
VI_D2: length 42.3
  TOP w0.095: U10.R31 68.76,40.12 69.1,39.78 70.97,39.78 71.09,39.65
  TOP w0.114: RN19.7 v2(97.68,54.52) ; 71.09,39.65 71.09,39.62
  TOP w0.124: 71.09,39.62 72.47,38.25
  TOP w0.127: v2(96.14,54.53) 96.14,47.8 92.88,44.54 89.57,44.54 85.57,40.54 85.57,39.5 84.33,38.25 72.47,38.25
  BOTTOM w0.114: v2(97.68,54.52) 96.15,54.52 v2(96.14,54.53)
VI_D3: length 40.8
  TOP w0.095: 71.16,40.91 71.14,40.92 U10.P32
  TOP w0.114: RN19.8 v2(97.1,53.95)
  TOP w0.124: 71.16,40.91 72.9,39.17
  TOP w0.127: 72.9,39.17 83.87,39.17 84.58,39.88 84.58,41.88 85.61,42.91 85.79,42.91 86.08,42.62 86.26,42.62 89.42,45.78 92.34,45.78 94.61,48.06 v2(94.61,53.47)
  BOTTOM w0.114: v2(97.1,53.95) 96.62,53.47 94.62,53.47 v2(94.61,53.47)
VI_D4: length 41
  TOP w0.095: U10.P31 68.72,40.91 69.11,40.51 71.09,40.51
  TOP w0.114: v2(97.66,53.05) RN77.5 ; 71.12,40.51 71.09,40.51
  TOP w0.124: 72.77,38.86 71.12,40.51
  TOP w0.127: v2(95.1,52.25) 95.1,47.96 92.53,45.39 89.46,45.39 85.86,41.79 85.68,41.79 85.43,42.04 85.25,42.04 85.07,41.86 85.07,41.68 85.32,41.43 85.32,41.25 84.91,40.84 84.91,39.75 84.02,38.86 72.77,38.86
  BOTTOM w0.114: v2(95.1,52.25) 96.86,52.25 v2(97.66,53.05)
VI_D5: length 40.8
  TOP w0.095: 70.05,41.4 68.4,41.4 U10.P30
  TOP w0.114: v2(97.21,51.66) 98.02,52.48 RN77.6
  TOP w0.127: v2(94.11,51.66) 94.11,48.23 92.13,46.25 89.46,46.25 86.88,43.67 86.7,43.67 86.37,44 86.19,44 84.23,42.04 84.23,40.03 83.67,39.47 73.05,39.47 71.12,41.4 70.05,41.4
  BOTTOM w0.114: v2(97.21,51.66) v2(94.11,51.66)
VI_D6: length 41.7
  TOP w0.095: 71.87,41.62 71.58,41.91 68.11,41.91 U10.N30
  TOP w0.114: RN77.7 98.26,51.98 v2(97.94,51.66)
  TOP w0.124: 71.87,41.62 72.64,40.84
  TOP w0.127: 72.64,40.84 73.41,40.08 82.88,40.08 83.74,40.94 83.74,42.04 86.62,44.92 86.8,44.92 87.16,44.56 87.34,44.56 87.52,44.74 87.52,44.92 87.16,45.28 87.16,45.46 87.34,45.64 87.52,45.64 87.88,45.28 88.06,45.28 88.24,45.46 88.24,45.64 87.88,46 87.88,46.18 88.4,46.7 92.01,46.7 93.45,48.13 v2(93.45,51.23)
  BOTTOM w0.114: v2(93.45,51.23) 93.5,51.18 97.46,51.18 v2(97.94,51.66)
VI_D7: length 42.6
  TOP w0.127: v2(74.68,37.13) 74.88,37.34 84.86,37.34 87.25,39.73 87.25,41.21 89.77,43.73 93.18,43.73 97,47.55 97,50.9 97.26,51.16 98.67,51.16 RN77.8 ; U10.T28 v1(66.72,39.72)
  BOTTOM w0.095: 71.09,37.57 68.94,39.72 v1(66.72,39.72)
  BOTTOM w0.127: v2(74.68,37.13) 74.52,37.29 71.37,37.29 71.09,37.57
VI_D8: length 41.2
  TOP w0.127: v2(75.18,36.68) 75.54,37.03 84.99,37.03 87.55,39.6 87.55,41.08 89.83,43.36 93.45,43.36 98.04,47.95 RN78.5 ; U10.T27 v1(65.92,39.72)
  BOTTOM w0.095: 71.09,38 69.18,39.92 67.04,39.92 66.88,40.08 66.32,40.08 65.96,39.72 v1(65.92,39.72)
  BOTTOM w0.127: v2(75.18,36.68) 75.29,36.78 75.29,37.26 74.96,37.59 71.5,37.59 71.09,38
VI_D9: length 40.8
  TOP w0.127: v2(75.67,36.22) 76.17,36.73 85.17,36.73 87.91,39.47 87.91,40.87 90.04,43 93.6,43 97.97,47.37 RN78.6 ; U10.R28 v1(66.72,40.52)
  BOTTOM w0.095: v1(66.72,40.52) 67.11,40.13 69.39,40.13 71.09,38.43
  BOTTOM w0.127: v2(75.67,36.22) 75.9,36.45 75.9,37.08 75.08,37.9 71.63,37.9 71.09,38.43
